# KiCad board mx-corne-xiao.kicad_pcb
title: mx-corne-xiao-zero; date: 2024-09-09; rev: 2.1; note: Author : Friction
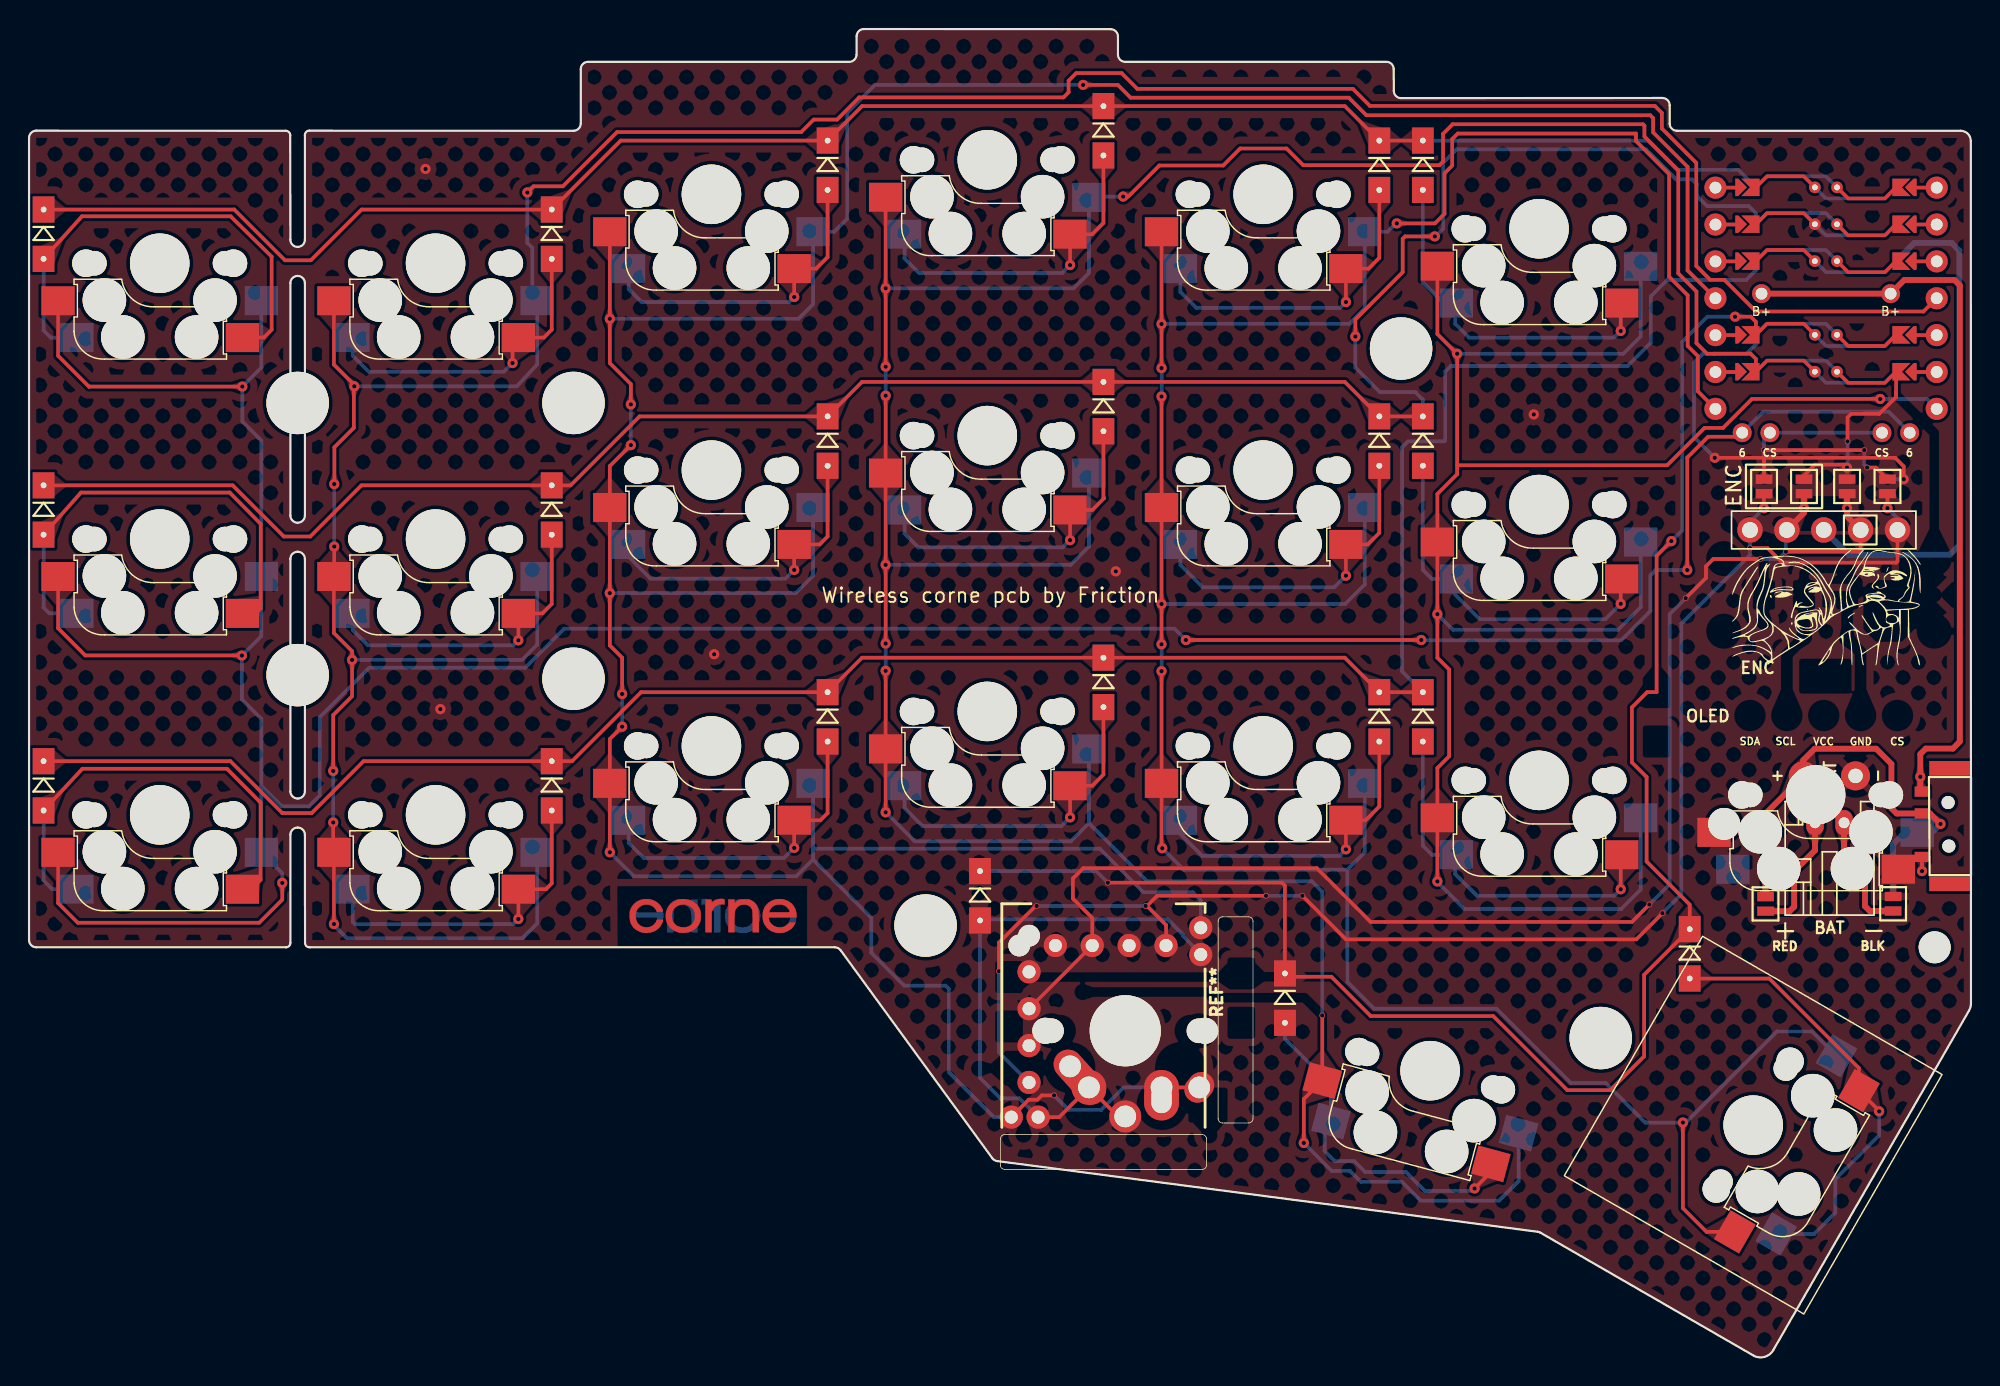
[diagram p0: board, top side]
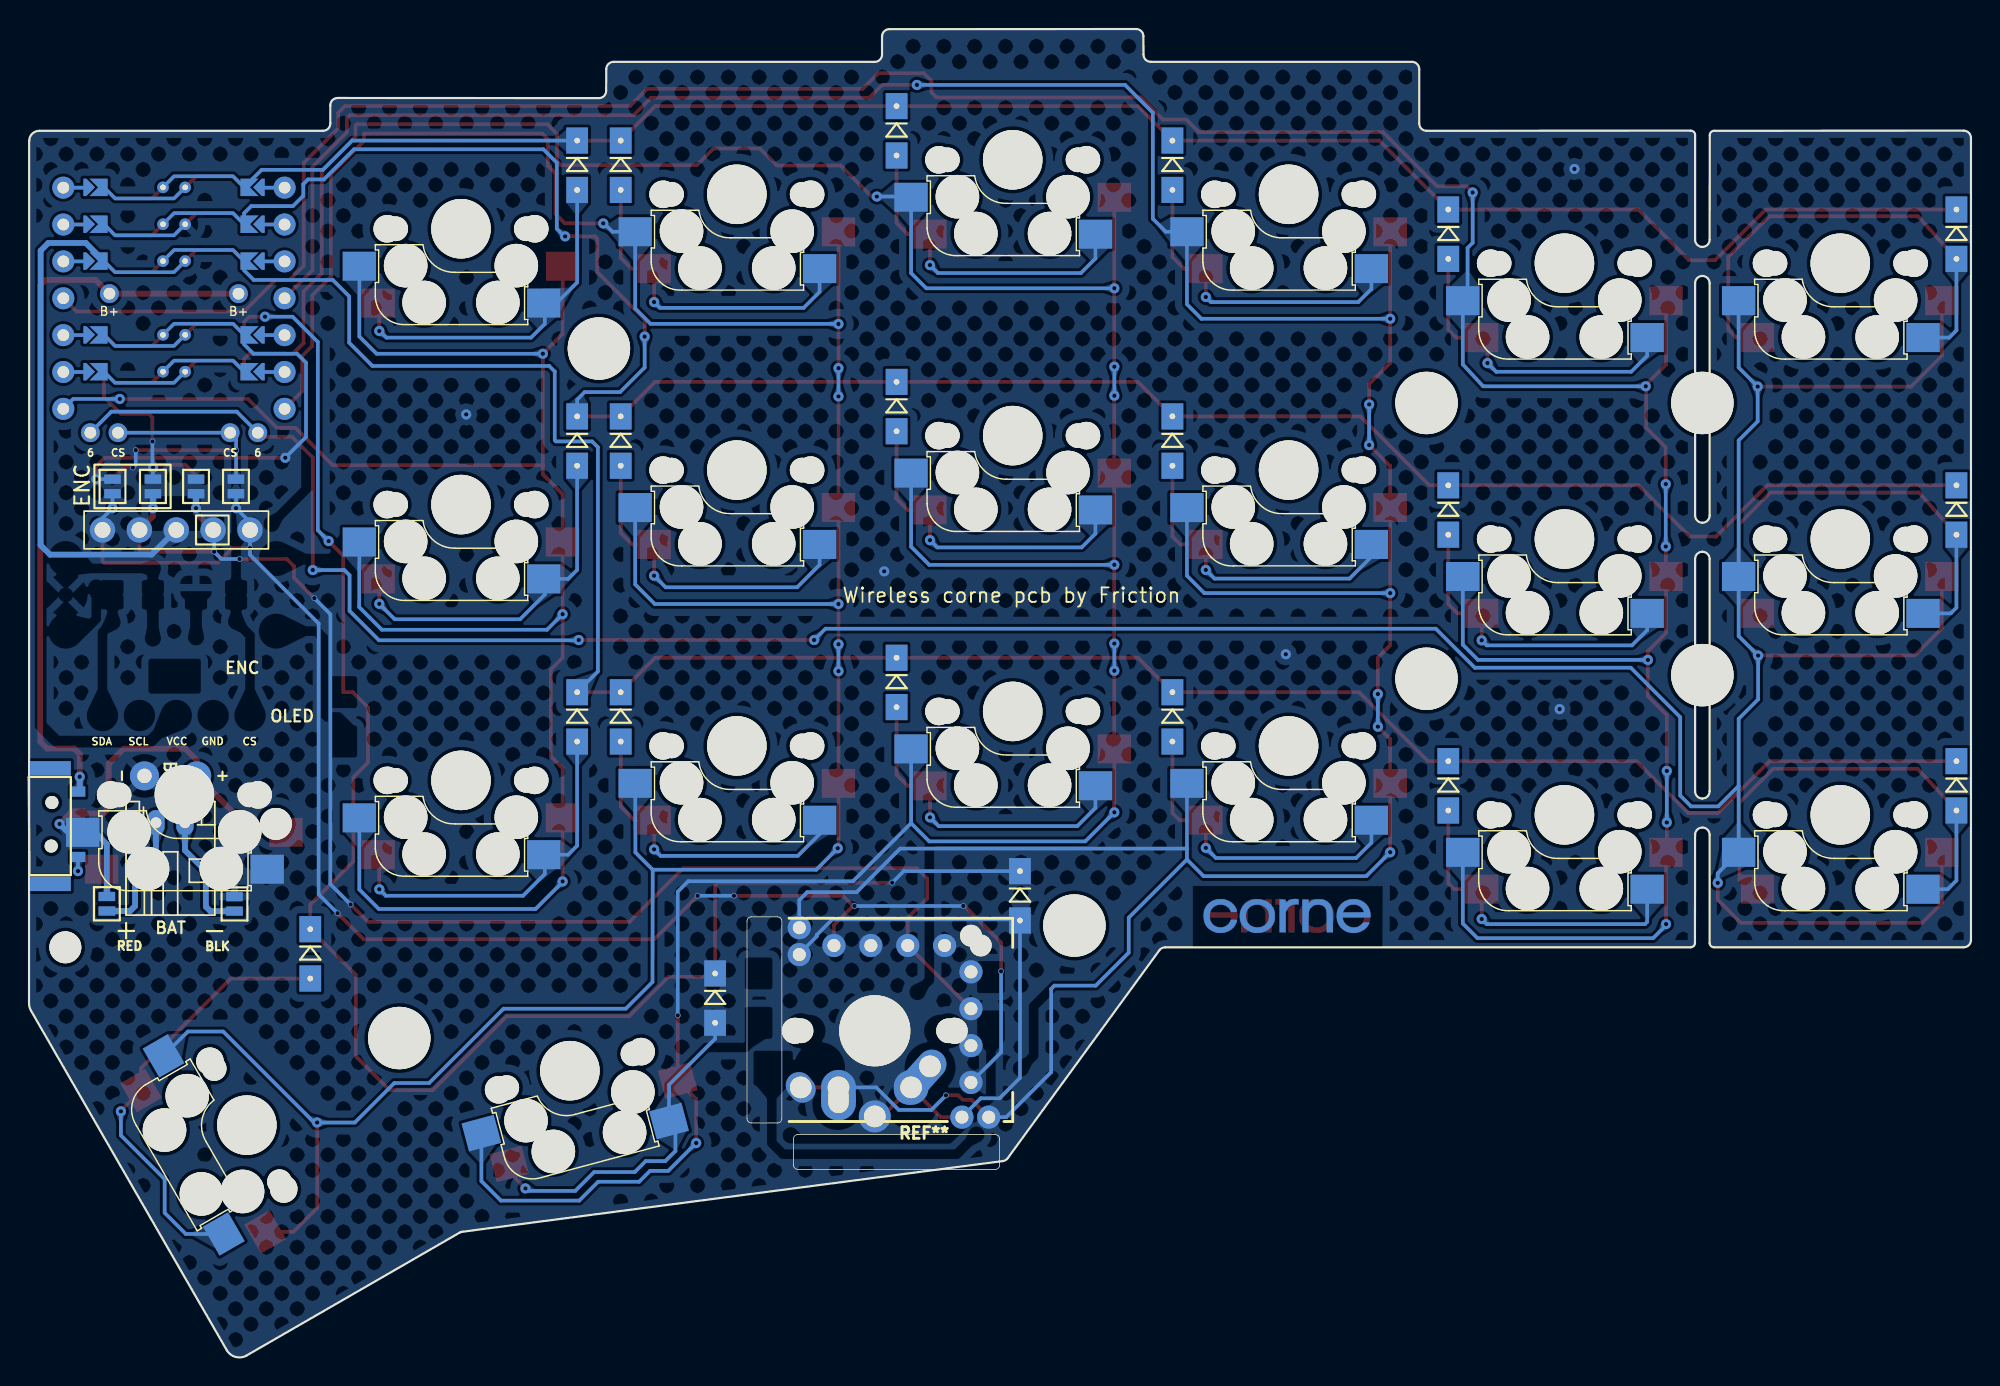
[diagram p1: board, bottom side, seen from below]

Outline 133.75 x 91.48 mm; copper layers: Top, Bottom. Coordinates in mm from the lower left corner of the outline.
Outline path: 0,83.98 0,28.72 arc(0.15,28.37) 0.5,28.22 17.7,28.22 arc(17.91,28.31) 18,28.52 18,35.97 arc(18.15,36.32) 18.5,36.47 arc(18.85,36.32) 19,35.97 19.01,28.52 arc(19.1,28.31) 19.31,28.22 55.5,28.22 arc(55.72,28.17) 55.9,28.01 66.34,13.69 arc(66.49,13.56) 66.68,13.49 103.91,8.62 arc(104.01,8.6) 104.1,8.56 118.76,0.1 arc(119.52,0) 120.13,0.47 133.62,23.86 arc(133.72,24.1) 133.75,24.36 133.74,83.77 arc(133.54,84.27) 133.04,84.47 113.5,84.47 arc(113.15,84.62) 113,84.97 113,86.22 arc(112.85,86.58) 112.5,86.73 94.5,86.72 arc(94.15,86.87) 94,87.22 93.99,88.73 arc(93.85,89.08) 93.49,89.22 75.5,89.22 arc(75.15,89.37) 75,89.72 75,90.97 arc(74.85,91.32) 74.5,91.47 57.5,91.48 arc(57.15,91.33) 57,90.98 56.99,89.72 arc(56.84,89.37) 56.49,89.22 38.5,89.22 arc(38.15,89.07) 38,88.72 38,84.97 arc(37.85,84.62) 37.5,84.47 19.3,84.48 arc(19.09,84.39) 19,84.18 19,76.97 arc(18.85,76.62) 18.5,76.47 arc(18.15,76.62) 18,76.97 17.99,84.16 arc(17.9,84.38) 17.69,84.47 0.5,84.48 arc(0.15,84.33) 0,83.98 ; 18,73.97 18,57.97 arc(18.15,57.62) 18.5,57.47 arc(18.85,57.62) 19,57.97 19,73.97 arc(18.85,74.32) 18.5,74.47 arc(18.15,74.32) 18,73.97 ; 18,54.97 arc(18.15,55.32) 18.5,55.47 arc(18.85,55.32) 19,54.97 19,38.97 arc(18.85,38.62) 18.5,38.47 arc(18.15,38.62) 18,38.97 18,54.97
Stack: Top 0.035mm / dielectric 1.51mm FR4 er 4.5 / Bottom 0.035mm

## Placement (name value [footprint] x y rotation side)
BT1  JST Connector  [JST_PH_reversible]  123.01 36.8 0 top
BT2  Battery_Cell  [custombatteryconnector_small]  124 40.03 0 top
D1  D  [Diode_SOD123]  1 77.35 270 top
D2  D  [Diode_SOD123]  36 77.35 270 top
D3  D  [Diode_SOD123]  55 82.1 270 top
D4  D  [Diode_SOD123]  74 84.47 270 top
D5  D  [Diode_SOD123]  93 82.1 270 top
D6  D  [Diode_SOD123]  96 82.1 270 top
D7  D  [Diode_SOD123]  1 58.35 270 top
D8  D  [Diode_SOD123]  36 58.35 270 top
D9  D  [Diode_SOD123]  55 63.1 270 top
D10  D  [Diode_SOD123]  74 65.47 270 top
D11  D  [Diode_SOD123]  93 63.1 270 top
D12  D  [Diode_SOD123]  96 63.1 270 top
D13  D  [Diode_SOD123]  1 39.35 270 top
D14  D  [Diode_SOD123]  36 39.35 270 top
D15  D  [Diode_SOD123]  55 44.1 270 top
D16  D  [Diode_SOD123]  74 46.47 270 top
D17  D  [Diode_SOD123]  93 44.1 270 top
D18  D  [Diode_SOD123]  96 44.1 270 top
D19  D  [Diode_SOD123]  65.5 31.77 270 top
D20  D  [Diode_SOD123]  86.5 24.72 270 top
D21  D  [Diode_SOD123]  114.38 27.77 270 top
G***  LOGO  [corne-logo-horizontal]  47.22 30.3 0 top
G***#2  -  [LOGO]  123.8 51.67 0 top
G***#3  LOGO  [corne-logo-horizontal]  47.22 30.3 0 top
G***#4  LOGO  [corne-logo-horizontal]  46.99 30.3 180 bottom
G***#5  LOGO  [corne-logo-horizontal]  46.99 30.3 180 bottom
H1  MountingHole  [M2_HOLE_v2]  18.5 65.72 0 top
H2  MountingHole  [M2_HOLE_v2]  37.5 65.72 0 top
H3  MountingHole  [M2_HOLE_v2]  94.5 69.47 0 top
H4  MountingHole  [M2_HOLE_v2]  18.5 46.97 0 top
H5  MountingHole  [M2_HOLE_v2]  37.5 46.72 0 top
H6  MountingHole  [M2_HOLE_v2]  61.75 29.72 0 top
H7  MountingHole  [M2_HOLE_v2]  108.25 21.97 0 top
H8  MountingHole  [M2_HOLE_v2#2]  116.75 36.72 0 top
H9  MountingHole  [M2_HOLE_v2#2]  131.25 28.22 0 top
J1  OLED  [nice_view]  123.61 72.49 0 top
JP1  Device_Jumper_NO_Small  [Jumper]  119.6 31.21 90 bottom
JP2  Device_Jumper_NO_Small  [Jumper]  119.6 31.21 90 top
JP3  Device_Jumper_NO_Small  [Jumper]  128.39 31.22 90 bottom
JP4  Device_Jumper_NO_Small  [Jumper]  128.39 31.22 90 top
JP5  Device_Jumper_NO_Small  [Jumper]  128 59.97 90 top
JP6  Device_Jumper_NO_Small  [Jumper]  125.22 59.97 90 top
JP7  Device_Jumper_NO_Small  [Jumper]  122.25 59.97 90 top
JP8  Device_Jumper_NO_Small  [Jumper]  119.5 59.97 90 top
JP9  Device_Jumper_NO_Small  [Jumper]  128 59.97 90 bottom
JP10  Device_Jumper_NO_Small  [Jumper]  125.22 59.97 90 bottom
JP11  Device_Jumper_NO_Small  [Jumper]  122.25 59.97 90 bottom
JP12  Device_Jumper_NO_Small  [Jumper]  119.5 59.97 90 bottom
PSW1  SW_SPDT  [MSK12C02_reversible]  133.57 40.45 180 bottom
REF**  -  [RollerEncoder_Panasonic_EVQWGD001]  74.5 22.72 270 top
REF**#2  -  [RollerEncoder_Panasonic_EVQWGD001]  74.5 22.72 0 bottom
SW1  SW_PUSH  [cherry_mx_1u]  9 75.35 180 top
SW2  SW_PUSH  [cherry_mx_1u]  28 75.35 180 top
SW3  SW_PUSH  [cherry_mx_1u]  47 80.1 180 top
SW4  SW_PUSH  [cherry_mx_1u]  66 82.47 180 top
SW5  SW_PUSH  [cherry_mx_1u]  85 80.1 180 top
SW6  SW_PUSH  [cherry_mx_1u]  104 77.72 180 top
SW7  SW_PUSH  [cherry_mx_1u]  9 56.35 180 top
SW8  SW_PUSH  [cherry_mx_1u]  28 56.35 180 top
SW9  SW_PUSH  [cherry_mx_1u]  47 61.1 180 top
SW10  SW_PUSH  [cherry_mx_1u]  66 63.47 180 top
SW11  SW_PUSH  [cherry_mx_1u]  85 61.1 180 top
SW12  SW_PUSH  [cherry_mx_1u]  104 58.72 180 top
SW13  SW_PUSH  [cherry_mx_1u]  9 37.35 180 top
SW14  SW_PUSH  [cherry_mx_1u]  28 37.35 180 top
SW15  SW_PUSH  [cherry_mx_1u]  47 42.1 180 top
SW16  SW_PUSH  [cherry_mx_1u]  66 44.47 180 top
SW17  SW_PUSH  [cherry_mx_1u]  85 42.1 180 top
SW18  SW_PUSH  [cherry_mx_1u]  104 39.72 180 top
SW18#2  SW_PUSH  [cherry_mx_1u]  123.05 38.72 180 top
SW19  SW_PUSH  [keyswitch_cherrymx_alps_choc12_1u_reversed]  75.5 22.47 180 top
SW20  SW_PUSH  [cherry_mx_1u]  96.5 19.72 165 top
SW21  SW_PUSH  [cherry_mx_1.5u]  118.75 15.97 240 top
U1  xiao-ble  [xiao-rev]  123.77 72.93 0 top

## Library data of the parts
D1-D21 = -: ki_fp_filters: TO-???* *_Diode_* *SingleDiode* D_*
H1-H9 = -: ki_fp_filters: MountingHole*
J1 = -: ki_fp_filters: Connector*:*_1x??_*
JP1-JP12 = -: ki_fp_filters: SolderJumper*Open*

## Footprints (pads in the part's own frame, mm; a bottom-side part is the same pattern mirrored in y, then rotated)
cherry_mx_1.5u
  round 1.9 hole 1.9 unplated: (-5.08,0) (5.08,0)
  round 1.7 hole 1.7 unplated: (-4.5,0) (4.5,0)
  round 3 hole 3 unplated: (-3.81,2.54) (-2.54,5.08) (2.54,5.08) (3.81,2.54)
  round 4.1 hole 4.1 unplated: (0,0)
  rect 2.3x2 smd far side: 1(-7,2.58) 2(5.7,5.12)
  rect 2.3x2 smd: 1(7,2.58) 2(-5.7,5.12)
cherry_mx_1u
  round 1.9 hole 1.9 unplated: (-5.08,0) (5.08,0)
  round 1.7 hole 1.7 unplated: (-4.5,0) (4.5,0)
  round 3 hole 3 unplated: (-3.81,2.54) (-2.54,5.08) (2.54,5.08) (3.81,2.54)
  round 4.1 hole 4.1 unplated: (0,0)
  rect 2.3x2 smd far side: 1(-7,2.58) 2(5.7,5.12)
  rect 2.3x2 smd: 1(7,2.58) 2(-5.7,5.12)
custombatteryconnector_small
  round 2 hole 1: 1(-1.8,0) 2(1.8,0)
Diode_SOD123
  rect 1.8x1.5 hole 0.4: 1(-1.7,0) 2(1.7,0)
JST_PH_reversible
  oval 1.2x1.75 hole 0.75: 1(0,0) 2(2,0)
Jumper
  rect 0.635x1.143 smd: 1(-0.5,0) 2(0.5,0)
keyswitch_cherrymx_alps_choc12_1u_reversed
  round 1.8 hole 1.8 unplated: (-5.5,0) (5.5,0)
  round 1.7 hole 1.7 unplated: (-5.08,0) (5.08,0)
  round 4.9 hole 4.9 unplated: (0,0)
  oval 2.2x1.8 hole 1.5 rot 50: 1(-5.1,3.9)
  oval 2.4x2.95 hole 1.4x1.95: 1(-2.5,4.7)
  round 2.4 hole 1.5: 1(-2.5,3.9) 2(2.5,3.9)
  round 2.2 hole 1.5: 2(0,5.9)
  oval 2x4.4 hole 1.5 rot 42: 2(3.8,2.45)
M2_HOLE_v2
  round 4.3 hole 4.3 unplated: (0,0)
M2_HOLE_v2#2
  round 2.2 hole 2.2 unplated: (0,0)
MSK12C02_reversible
  round 0.9 hole 0.9 unplated: (1.35,-5.25) (1.4,-2.25)
  rect 1x0.7 smd far side: 1(3.2,-1.5) 2(3.2,-3) 3(3.2,-6)
  rect 1x0.7 smd: 1(3.2,-1.5) 2(3.2,-4.5) 3(3.2,-6)
  rect 2.8x1 smd far side: NC(1.3,-7.85) NC(1.3,0.1)
  rect 2.8x1 smd: NC(1.3,-7.85) NC(1.3,0.1)
nice_view
  round 1.753 hole 1.092: 1(-5.08,-15.524) 2(-2.54,-15.524) 3(0,-15.524) 4(2.54,-15.524) 5(5.08,-15.524)
RollerEncoder_Panasonic_EVQWGD001
  round 1.5 hole 1.5 unplated: (-5.625,-6.3)
  round 1.6 hole 0.9: A(-5.625,3.81) B(-5.625,1.27) C(-5.625,-1.27) D(-5.625,-3.81) S1(-6.85,6.2) S2(-5,6.2)
xiao-rev
  round 1.524 hole 0.813: (-7.62,7.62) (-7.62,5.08) (-7.62,2.54) (-7.62,-2.54) (-7.62,-5.08) (7.62,7.62) (7.62,5.08) (7.62,2.54) (7.62,-2.54) (7.62,-5.08) 4(-7.62,0) 7(-7.62,-7.62) 8(7.62,-7.62) 11(7.62,0)
  rect 1.44x0.25 smd: (-6.69,7.622) (-6.67,5.08) (-6.67,2.54) (-6.67,-2.54) (-6.67,-5.08) (6.67,7.62) (6.67,5.08) (6.67,2.54) (6.67,-2.54) (6.67,-5.08)
  rect 1.44x0.25 smd far side: (-6.69,7.62) (-6.67,5.08) (-6.67,2.54) (-6.67,-2.54) (-6.67,-5.08) (6.67,7.62) (6.67,5.08) (6.67,2.54) (6.67,-2.54) (6.67,-5.08)
  custom 0.8x1.2 smd: (-5.85,7.64) (-5.85,5.1) (-5.85,2.56) (-5.85,-2.52) (-5.85,-5.06) (5.834,7.64) (5.834,5.1) (5.834,2.56) (5.834,-2.52) (5.834,-5.06)
  custom 0.8x1.2 smd far side: (-5.85,7.64) (-5.85,5.1) (-5.85,2.56) (-5.85,-2.52) (-5.85,-5.06) (5.834,7.64) (5.834,5.1) (5.834,2.56) (5.834,-2.52) (5.834,-5.06)
  custom 1.25x1.2 smd far side: 1(-4.834,7.64) 2(-4.834,5.1) 3(-4.834,2.56) 5(-4.834,-2.52) 6(-4.834,-5.06) 9(4.818,-5.06) 10(4.818,-2.52) 12(4.818,2.56) 13(4.818,5.1) 14(4.818,7.64)
  custom 4.314x1.016 smd: 1(0.754,7.64) 2(0.754,5.1) 3(0.754,2.56) 5(0.754,-2.52) 6(0.754,-5.06)
  custom 5.838x1.016 smd far side: 1(0.754,7.64) 2(0.754,5.1) 3(0.754,2.56) 5(0.754,-2.52) 6(0.754,-5.06) 9(-0.77,-5.06) 10(-0.77,-2.52) 12(-0.77,2.56) 13(-0.77,5.1) 14(-0.77,7.64)
  round 0.8 hole 0.4: 1(0.754,7.64) 2(0.754,5.1) 3(0.754,2.56) 5(0.754,-2.52) 6(0.754,-5.06) 9(-0.77,-5.06) 10(-0.77,-2.52) 12(-0.77,2.56) 13(-0.77,5.1) 14(-0.77,7.64)
  custom 1.25x1.2 smd: 1(4.818,7.64) 2(4.818,5.1) 3(4.818,2.56) 5(4.818,-2.52) 6(4.818,-5.06) 9(-4.834,-5.06) 10(-4.834,-2.52) 12(-4.834,2.56) 13(-4.834,5.1) 14(-4.834,7.64)
  custom 4.314x1.012 smd: 9(-0.77,-5.06) 10(-0.77,-2.52) 12(-0.77,2.56) 13(-0.77,5.1) 14(-0.77,7.64)
  round 1.3 hole 0.813: 15(-3.87,-9.26) 15(3.852,-9.26) 16(-5.775,-9.26) 16(5.757,-9.26) B+(-4.445,0.317) B+(4.445,0.317)

## Nets
GND: BT2.2 JP1.2 JP4.2 JP6.2 JP11.2 REF**.B REF**#2.B U1.13
VCC: J1.3 U1.12
/PAD1: BT1.1 JP1.1 JP2.1
/PAD2: BT1.2 JP3.1 JP4.1
/PSW: BT2.1 JP2.2 JP3.2 PSW1.2
BAT+: PSW1.1 U1.B+
COL0: SW6.1 SW12.1 SW18.1 U1.8
COL1: SW5.1 SW11.1 SW17.1 SW21.1 U1.7
COL2: SW4.1 SW10.1 SW16.1 SW20.1 U1.9
COL3: REF**.S1 REF**#2.S1 SW3.1 SW9.1 SW15.1 SW19.1 U1.4
COL4: SW2.1 SW8.1 SW14.1 U1.11
COL5: SW1.1 SW7.1 SW13.1 U1.16
CS: JP5.2 JP12.2 U1.15
ROW0: D1.1 D2.1 D3.1 D4.1 D5.1 D6.1 U1.1
ROW1: D7.1 D8.1 D9.1 D10.1 D11.1 D12.1 U1.2
ROW2: D13.1 D14.1 D15.1 D16.1 D17.1 D18.1 U1.3
ROW3: D19.1 D20.1 D21.1 U1.10
SCL: JP7.2 JP10.2 U1.6
SDA: JP8.2 JP9.2 U1.5
Net-(D1-A): D1.2 SW1.2
Net-(D2-A): D2.2 SW2.2
Net-(D3-A): D3.2 SW3.2
Net-(D4-A): D4.2 SW4.2
Net-(D5-A): D5.2 SW5.2
Net-(D6-A): D6.2 SW6.2
Net-(D7-A): D7.2 SW7.2
Net-(D8-A): D8.2 SW8.2
Net-(D9-A): D9.2 SW9.2
Net-(D10-A): D10.2 SW10.2
Net-(D11-A): D11.2 SW11.2
Net-(D12-A): D12.2 SW12.2
Net-(D13-A): D13.2 SW13.2
Net-(D14-A): D14.2 SW14.2
Net-(D15-A): D15.2 SW15.2
Net-(D16-A): D16.2 SW16.2
Net-(D17-A): D17.2 SW17.2
Net-(D18-A): D18.2 SW18.2
Net-(D19-A): D19.2 REF**.S2 REF**#2.S2 SW19.2
Net-(D20-A): D20.2 SW20.2
Net-(D21-A): D21.2 SW21.2
Net-(J1-Pin_4): J1.2 J1.4 JP6.1 JP7.1 JP10.1 JP11.1 REF**.C REF**#2.C
Net-(J1-Pin_5): J1.1 J1.5 JP5.1 JP8.1 JP9.1 JP12.1 REF**.A REF**#2.A

Pads without a net: PSW1 3 NC; REF** D; REF**#2 D; SW18#2 1 2; U1 14

## Via types
v1: diameter 0.7, hole 0.3, Top to Bottom, 80 vias
v2: diameter 0.4, hole 0.3, Top to Bottom, 18 vias

## Routing (per net, layer and track width the routed paths; a pad name or vN(x,y) marks a point on that pad's centre or on a via; arc(x,y) is an arc through that point)
GND:
  vias: v1(27.31,81.84) v1(28.33,44.63) v1(47.19,48.41) v1(74.85,54.12) v1(103.64,64.93)
VCC: length 35.7
  Bottom w0.4: J1.3 125.31,55.27 132.3,55.27 132.95,55.92 132.95,76.21 132.42,76.74 129.85,76.74 128.6,75.49
/PAD1: length 17
  Top w0.4: JP2.1 121.26,30.71 121.57,31.02 121.57,33.46 123.01,34.9 BT1.1
  Bottom w0.4: JP2.1 121.26,30.71 121.57,31.02 121.57,33.46 123.01,34.9 BT1.1
/PAD2: length 16.8
  Top w0.4: BT1.2 125.01,34.91 126.45,33.47 126.45,31.05 126.78,30.72 JP4.1
  Bottom w0.4: JP4.1 126.79,30.72 126.45,31.06 126.45,33.47 125.01,34.91 BT1.2
/PSW: length 31.6
  Top w0.4: v1(131.65,36.72) 130.93,37.44 128.63,37.44 128.27,37.8 128.27,40.85 127.22,41.9 122.99,41.9 122.2,41.11 BT2.1 119.61,37.44 119.61,34.46 119.6,34.45 JP2.2
  Bottom w0.4: PSW1.2 130.88,35.95 v1(131.65,36.72) ; 130.38,35.94 129.01,35.94 128.39,35.32 JP3.2
BAT+: length 52.1
  Top w0.4: 130.26,39.06 v1(130.26,39.97) 130.26,41.53 130.64,41.91 132.5,41.91 132.98,42.39 132.98,73.82 132.61,74.19 129.16,74.19 U1.B+ 119.32,73.25
  Bottom w0.4: 130.26,39.06 v1(130.26,39.97)
COL0: length 137.5
  Top w0.254: 98.36,61.43 98.36,60.81 97,59.45 SW12.1 v1(97,51.17) 97,48.17 97.81,47.36 97.81,41.38 97,40.57 SW18.1 v1(97,32.76) ; 98.36,61.43 112.83,61.43 115.4,64 116.67,64 118.66,66 v1(127.5,66) ; 98.36,61.43 v1(98.36,69.11) 97,70.47 SW6.1
  Bottom w0.254: 111,75.69 111,70.3 109.81,69.11 v1(98.36,69.11) ; v1(97,51.17) 98.07,50.1 109.44,50.1 111.01,51.66 SW12.1 ; 131.21,65.49 130.71,66 v1(127.5,66) ; SW18.1 111,32.2 109.66,30.86 98.86,30.86 97,32.72 v1(97,32.76)
COL1: length 206.2
  Top w0.254: SW5.1 v1(78,71.16) v1(78,68.12) ; v1(78.05,35.05) 78,35.1 SW17.1 v1(78,47.25) ; v1(113.91,16.15) 113.91,10.25 115.54,8.62 SW21.1 ; 116.15,65.31 114.94,66.52 114.94,68.95 114.24,69.65 114.24,73.14 112.96,74.42 112.96,81.48 110.68,83.76 110.68,84.28 98.4,84.28 98.02,83.9 98.02,82.07 97.49,81.54 97.49,78.75 96.83,78.09 v1(94.2,78.09) ; v1(78,49.1) v1(78,51.87) SW11.1 v1(78,66.17)
  Bottom w0.254: 90.79,33.57 91.99,34.76 SW17.1 ; 90.79,33.57 90.81,25.83 92.65,23.99 101.07,23.99 106.19,18.87 108.59,18.87 111.31,16.15 v1(113.91,16.15) 114.11,16.15 120.38,22.42 122.81,22.42 SW21.1 ; 90.79,33.57 79.53,33.57 v1(78.05,35.05) ; v1(78,51.87) 90.65,51.87 92,53.22 SW11.1 ; v1(78,49.1) v1(78,47.25) ; v1(78,68.12) v1(78,66.17) ; v1(94.2,78.09) 94.14,78.09 93.56,77.52 SW5.1 92,72.23 90.94,71.17 78.01,71.17 v1(78,71.16)
COL2: length 222.5
  Top w0.254: v1(87.8,14.74) 87.8,17.77 SW20.1 v2(89.07,23.53) ; 118.94,67.87 118.94,68.75 118.57,69.11 116.08,69.11 116.07,69.11 115.57,69.11 114.84,69.84 114.84,73.4 113.59,74.65 113.59,81.75 111.26,84.08 111.26,84.82 111.16,84.92 98.05,84.92 97.39,84.26 97.39,82.35 97.14,82.1 87.76,82.1 86.61,83.25 83.42,83.25 82.25,82.08 77.85,82.08 75.71,79.94 v1(75.36,79.94) ; v1(59,66.22) SW10.1 v1(59,54.57) v1(59,49.15) ; v1(59,47.27) SW16.1 v1(59,37.52) ; SW4.1 v1(59,73.62) v1(59,68.22)
  Bottom w0.254: 73,36.77 71.75,35.52 61,35.52 v1(59,37.52) ; 73,36.77 SW16.1 ; 73,36.77 77,32.77 88.35,32.77 89.07,32.05 v2(89.07,23.53) ; v1(59,49.15) v1(59,47.27) ; v1(75.36,79.94) 73.05,79.94 ; v1(59,68.22) v1(59,66.22) ; v1(59,54.57) 71.75,54.57 73,55.82 SW10.1 ; SW20.1 102.59,12.11 101.25,10.77 95.85,10.77 94.55,12.07 91.72,12.07 90.97,12.82 89.72,12.82 v1(87.8,14.74) ; v1(59,73.62) 71.95,73.62 73,74.67 SW4.1
COL3: length 255.9
  Top w0.254: v1(72.6,87.63) 74.99,87.63 75.87,86.75 90.9,86.75 92.11,85.54 111.66,85.54 111.86,85.34 111.86,84.36 114.23,81.99 114.23,74.85 U1.4 ; SW3.1 v1(40,71.52) 40,68.47 41.45,67.02 v1(41.45,65.62) ; v1(40.85,43.42) 40,42.57 SW15.1 v1(40,34.77) ; v2(70.6,18.02) 69.75,18.02 69.45,17.72 68.85,17.72 REF**#2.S1 ; v1(41.45,62.82) 40,61.37 SW9.1 v1(40,52.62) 40,49.02 40.85,48.17 v1(40.85,45.67) ; SW19.1 78.8,18.57 SW19.1
  Bottom w0.254: 54,35.02 73.75,35.02 76.75,32.02 80.15,32.02 80.7,31.47 REF**.S1 ; 54,35.02 SW15.1 ; 54,35.02 54,34.27 ; 54,34.27 52.85,33.12 41.65,33.12 v1(40,34.77) ; 54,34.27 58.01,30.26 58.01,27.85 60.28,25.58 63.13,25.58 63.35,25.36 63.35,19.62 66.45,16.52 REF**#2.S1 ; SW9.1 54,53.82 52.8,52.62 v1(40,52.62) ; SW19.1 75.4,18.57 73.85,17.02 71.6,17.02 v2(70.6,18.02) ; v1(41.45,65.62) v1(41.45,62.82) ; v1(72.6,87.63) 58.26,87.63 56.35,85.72 56.35,78.41 55.45,77.52 SW3.1 54,72.52 53,71.52 v1(40,71.52) ; v1(40.85,45.67) v1(40.85,43.42)
COL4: length 220.5
  Top w0.254: SW8.1 21,49.87 22.25,48.62 v1(22.25,48.02) 22.25,45.52 20.95,44.22 v1(20.95,40.37) ; v1(21,29.82) SW14.1 ; v1(34.32,80.22) 34.75,80.65 36.77,80.65 40.5,84.38 53.18,84.38 54.04,85.24 55.65,85.24 57.18,86.77 71.25,86.77 71.6,87.12 71.6,87.92 72.12,88.45 75.25,88.45 76.34,87.36 91.18,87.36 92.36,86.18 111.98,86.18 112.46,85.7 112.46,84.63 114.83,82.26 114.83,75.17 115.79,74.2 116.77,74.2 118.95,72.02 130.48,72.02 U1.11 ; v1(21.02,60.13) 21.03,60.14 21.03,62.67 22.37,64.01 22.37,66.99 21,68.36 SW2.1 ; v1(21.02,55.83) 21.02,53.79 ; v1(20.95,36.82) 20.95,34.82
  Bottom w0.254: v1(21.02,60.13) v1(21.02,55.83) ; v1(34.32,80.22) 34.32,76.75 34.67,76.4 34.67,73.1 ; v1(22.4,66.87) 33.6,66.87 35,68.38 SW2.1 ; v1(22.25,48.02) 33.95,48.02 35,49.07 SW8.1 ; v1(21,29.82) 21,29.74 21.89,28.85 33.99,28.85 35,29.86 SW14.1 ; v1(20.95,40.37) v1(20.95,36.82)
COL5: length 234
  Top w0.254: 117.71,63.39 115.64,63.39 114.21,61.96 v1(114.21,54.21) ; SW1.1 2,68.97 4.13,66.84 4.14,66.85 v1(14.69,66.85) ; SW7.1 2,50.2 3.87,48.33 14.65,48.33 v1(14.66,48.32) ; SW13.1 2,31.27 3.36,29.91 15.85,29.91 17.44,31.5 v1(17.44,32.66) ; v1(95.89,49.39) v1(79.68,49.39)
  Bottom w0.254: 16,39.34 17.41,37.93 19.28,37.93 20.03,38.68 20.03,44.08 23.43,47.48 34.17,47.48 36.86,50.17 78.9,50.17 v1(79.68,49.39) ; 16,39.34 16,43.96 14.65,45.31 14.66,45.32 v1(14.66,48.32) 16,49.66 SW7.1 16,63.14 14.69,64.45 v1(14.69,66.85) 16,68.16 SW1.1 ; 16,39.34 SW13.1 17.44,33.33 v1(17.44,32.66) ; v1(114.21,54.21) 112.03,54.21 111.68,53.85 111.68,51.4 109.65,49.37 95.91,49.37 v1(95.89,49.39) ; 129.53,63.67 128.08,65.12 119.44,65.12 118,63.67
CS: length 21
  Top w0.254: JP5.2 127.2,61.27 v2(126.6,61.27) ; v2(119.49,62.47) v2(126.4,62.47)
  Bottom w0.254: JP12.2 119.49,60.48 v2(119.49,62.47) 119.49,63.26 119.9,63.67 ; 119.9,63.67 127.62,63.67 ; v2(126.4,62.47) 126.4,61.47 v2(126.6,61.27)
ROW0: length 126.1
  Top w0.254: D6.1 D5.1 90.62,86.17 D4.1 57.38,86.17 D3.1 40.75,83.8 D2.1 22.91,79.05 19.41,75.55 17.63,75.55 14.14,79.05 D1.1
  Bottom w0.254: D6.1 111.49,83.8 113.5,81.78 117.73,81.78 U1.1
ROW1: length 151.4
  Top w0.254: D12.1 D11.1 90.62,67.17 D10.1 57.38,67.17 D9.1 42.05,64.8 37.3,60.05 D8.1 22.89,60.05 19.37,56.52 17.55,56.52 14.03,60.05 D7.1 ; v1(91.35,70.3) 91.35,71.47 94.61,74.73 94.61,77.03 94.78,77.2 v1(96.82,77.2)
  Bottom w0.254: v1(91.35,70.3) 91.35,68.16 93.04,66.47 95.48,66.47 96,65.95 D12.1 ; v1(96.82,77.2) 96.88,77.2 97.4,77.72 97.4,82.27 98.32,83.2 111.37,83.2 113.44,81.12 114.53,81.12 114.86,80.79 114.86,79.99 115.57,79.28 118.44,79.28 118.44,79.28 118.94,78.79 118.94,78.03
ROW2: length 154.1
  Top w0.254: D13.1 13.86,41.05 17.44,37.47 19.47,37.47 23.05,41.05 D14.1 37.4,41.05 42.15,45.8 D15.1 57.38,48.17 D16.1 90.62,48.17 D17.1 D18.1
  Bottom w0.254: U1.3 118.94,74.86 118.27,74.19 112.83,74.19 111.7,73.06 111.7,69.87 110.1,68.27 97.93,68.27 97.54,67.89 97.54,63.15 97.46,63.07 94.97,63.07 94.57,62.67 94.57,47.23 D18.1
ROW3: length 117.3
  Top w0.254: U1.10 118.94,71.31 118.58,71.66 v1(117.5,71.66) ; v2(74.3,32.67) 86.3,32.67 86.5,32.47 D20.1 86.73,26.19 89.7,26.19 92.41,23.48 100.85,23.48 105.95,18.38 108.91,18.38 111.24,20.71 111.24,26.33 D21.1 114.38,31.16 111.41,34.13 111.41,39.95 110.4,40.96 110.4,44.75 111.45,45.8 112.1,45.8 112.1,55.19 v1(113.12,56.21)
  Bottom w0.254: v2(74.3,32.67) 73.5,33.47 D19.1 ; v1(113.12,56.21) 113.86,56.95 113.86,69.93 115.6,71.66 v1(117.5,71.66)
SCL: length 13.7
  Top w0.254: 128.59,66.47 128.59,67.87 ; 128.59,66.47 128.59,66.28 ; 128.59,66.47 128.59,66.13 127.43,64.97 125.5,64.97 125.25,64.72 v2(125.25,63.07) ; v1(125.21,61.27) 125.01,61.47 123,61.47 122.25,60.72 JP7.2
  Bottom w0.254: v2(125.25,63.07) 125.25,61.31 v1(125.21,61.27) 125.22,61.26 JP10.2
SDA: length 29.3
  Top w0.254: JP8.2 119.5,61.94 ; v1(129.12,60.47) 129.12,61.35 128.53,61.94 v1(116.1,61.94)
  Bottom w0.254: v1(116.1,61.94) 114.68,63.37 114.68,68.5 115.29,69.11 118.29,69.11 118.94,69.76 U1.5 ; v1(129.12,60.47) JP9.2
Net-(D1-A): length 32.9
  Top w0.254: D1.2 3.65,78.58 13.88,78.58 16.71,75.8 16.71,70.77 16.17,70.23 SW1.2
  Bottom w0.254: D1.2 1,70.72 1.5,70.22 1.51,70.23 SW1.2
Net-(D2-A): length 21.7
  Top w0.254: D2.2 36,70.77 35.45,70.23 SW2.2 ; v1(33.3,68.47) 33.3,69.83
  Bottom w0.254: v1(33.3,68.47) 32.7,67.87 23.4,67.87 22.3,68.97 SW2.2
Net-(D3-A): length 22.5
  Top w0.254: D3.2 55,75.77 54.2,74.98 SW3.2 v1(52.7,73.02)
  Bottom w0.254: v1(52.7,73.02) 52.35,72.67 42.2,72.67 41.3,73.57 SW3.2
Net-(D4-A): length 23.1
  Top w0.254: D4.2 74,78.12 73.23,77.35 SW4.2 v1(71.7,75.22)
  Bottom w0.254: v1(71.7,75.22) 71.15,74.67 61.3,74.67 60.3,75.67 SW4.2
Net-(D5-A): length 23.2
  Top w0.254: v1(90.7,72.67) SW5.2 92.25,74.98 93,75.72 D5.2
  Bottom w0.254: SW5.2 79.3,73.37 80.4,72.27 90.3,72.27 v1(90.7,72.67)
Net-(D6-A): length 23.7
  Top w0.254: v1(109.63,70.68) 109.63,72.6
  Bottom w0.254: D6.2 96,74.02 97.42,72.6 ; v1(109.63,70.68) 109.13,70.22 99.18,70.22 98.23,71.17 98.23,72.6
Net-(D7-A): length 31
  Top w0.254: 15.61,51.23 15.95,51.57 15.96,57.38 13.82,59.55 3.58,59.55 D7.2
  Bottom w0.254: SW7.2 1.4,51.23 1,51.62 D7.2
Net-(D8-A): length 22.3
  Top w0.254: v1(33.7,49.37) SW8.2 35.36,51.23 36,51.87 D8.2
  Bottom w0.254: SW8.2 22.3,50.07 23.35,49.02 33.35,49.02 v1(33.7,49.37)
Net-(D9-A): length 21.4
  Top w0.254: D9.2 55,56.52 54.45,55.98 SW9.2 v1(52.7,54.22)
  Bottom w0.254: 41.3,55.12 42.8,53.62 52.1,53.62 v1(52.7,54.22)
Net-(D10-A): length 23
  Top w0.254: D10.2 74,59.22 74.05,59.17 73.23,58.35 SW10.2 v1(71.7,56.27)
  Bottom w0.254: v1(71.7,56.27) 71.2,55.77 61.25,55.77 60.3,56.72 SW10.2
Net-(D11-A): length 23.2
  Top w0.254: D11.2 93,56.77 92.21,55.98 SW11.2 v1(90.7,53.82)
  Bottom w0.254: SW11.2 79.3,54.57 80.85,53.02 89.9,53.02 v1(90.7,53.82)
Net-(D12-A): length 25.1
  Top w0.254: v1(109.63,51.88) 109.63,53.6
  Bottom w0.254: D12.2 96,54.22 96.62,53.6 SW12.2 ; v1(109.63,51.88) 108.56,50.82 99.93,50.82 98.23,52.52 98.23,53.6
Net-(D13-A): length 30.8
  Top w0.254: 15.31,32.23 15.95,32.87 15.95,38.19 15.88,38.27 13.73,40.42 13.63,40.52 3.67,40.52 D13.2
  Bottom w0.254: D13.2 1,32.82 1.59,32.23 SW13.2
Net-(D14-A): length 23.4
  Top w0.254: D14.2 36,32.62 35.61,32.23 SW14.2 v1(33.7,30.17)
  Bottom w0.254: SW14.2 22.3,29.97 22.45,29.82 33.35,29.82 v1(33.7,30.17)
Net-(D15-A): length 23
  Top w0.254: v1(52.7,35.07) SW15.2 54.5,36.98 55,37.47 D15.2
  Bottom w0.254: v1(52.7,35.07) 52,34.37 42.35,34.37 41.3,35.42 SW15.2
Net-(D16-A): length 23.1
  Top w0.254: v1(71.7,37.17) SW16.2 73.23,39.35 74,40.12 D16.2
  Bottom w0.254: v1(71.7,37.17) 71.1,36.57 61.55,36.57 60.3,37.82 SW16.2
Net-(D17-A): length 22.3
  Top w0.254: D17.2 93,37.92 92.06,36.98 SW17.2 v1(90.7,34.97)
  Bottom w0.254: v1(90.7,34.97) 90.25,34.52 80.8,34.52 79.3,36.02 SW17.2
Net-(D18-A): length 25.6
  Top w0.254: v1(109.63,32.22) 109.63,34.6
  Bottom w0.254: SW18.2 96.62,34.6 96,35.22 D18.2 ; 98.23,34.6 98.23,33.27 99.73,31.77 109.18,31.77 v1(109.63,32.22)
Net-(D19-A): length 42
  Top w0.254: SW19.2 70.95,16.52 REF**#2.S2 ; SW19.2 73,18.72 SW19.2 ; SW19.2 75,16.57 SW19.2
  Bottom w0.254: REF**#2.S2 68.2,17.82 66.9,17.82 65.5,19.22 D19.2 65.58,30.15 78.42,30.15 79.5,29.07 79.5,28.97 80.7,27.77 REF**.S2
Net-(D20-A): length 22.8
  Top w0.254: v1(99.56,11.61) 100.68,12.73
  Bottom w0.254: SW20.2 89.67,18.75 86.5,21.92 D20.2 ; 89.23,15.81 89.23,14.19 89.93,13.49 91.28,13.49 92.03,12.74 94.83,12.74 96.13,11.44 99.39,11.44 v1(99.56,11.61)
Net-(D21-A): length 30.7
  Top w0.254: D21.2 119.86,26.07 126.03,19.9 SW21.2 127.43,16.96 v1(127.43,16.92)
  Bottom w0.254: SW21.2 122.95,8.47 124.41,9.93 124.41,12.25 127.43,15.27 v1(127.43,16.92)
Net-(J1-Pin_4): length 100.1
  Top w0.254: J1.4 126.15,55.62 126,55.47 v2(121,55.47) ; REF**#2.C REF**.C 73.23,30.24 71.9,31.57 71.9,32.97 72.6,33.67 88.7,33.67 92.4,29.97 110.4,29.97 v2(111.6,31.17) ; v2(114.1,52.27) 115.5,53.67 115.5,54.47 116,54.97 v2(119.25,54.97)
  Top w0.4: JP6.1 v1(125.22,58.47) 125.22,57.9 J1.4 ; J1.2 122.25,58.15 v1(122.25,58.47) JP7.1
  Bottom w0.254: v2(114.1,52.27) 113,51.17 113,32.57 v2(111.6,31.17) ; J1.2 121,56.9 v2(121,55.47) 120.5,54.97 v2(119.25,54.97)
  Bottom w0.4: JP11.1 v1(122.25,58.47) ; JP6.1 v1(125.22,58.47)
Net-(J1-Pin_5): length 112.3
  Top w0.254: v2(118.53,55.72) 119.75,55.72 120.75,54.72 128.6,54.72 128.69,54.81 J1.5 ; REF**.A 78.31,29.76 77,31.07 ; v2(112.5,30.57) 110.7,28.77 90.7,28.77 v2(87.7,31.77) ; v2(66.8,26.57) 66.8,28.54 69.33,31.07 v2(69.4,31.07) ; v2(76.9,31.07) 77,31.07 ; 77,31.07 77.7,31.77 v2(85.2,31.77) ; v1(119.49,58.47) 119.49,59.46 JP8.1 ; JP5.1 v1(128,58.47)
  Bottom w0.254: v2(69.4,31.07) v2(76.9,31.07) ; v2(66.8,26.57) 66.8,20.99 REF**#2.A ; J1.1 118.6,56.9 ; J1.1 v2(118.53,55.72) 118.53,55.25 113.8,50.52 113.8,31.87 v2(112.5,30.57) ; J1.1 118.53,57.51 v1(119.49,58.47) 119.49,59.46 JP12.1 119.49,59.48 ; JP5.1 128,59.47 v1(128,58.47) 128.69,57.78 J1.5 ; v2(85.2,31.77) v2(87.7,31.77)
unconnected-(PSW1-C-Pad3): length 1.9
  Top w0.254: v1(130.38,33.47) 130.38,33.48 PSW1.3
  Bottom w0.254: v1(130.38,33.47) 130.38,34.44

## Copper pours and planes (outline as drawn; the poured copper is in the pictures)
GND on Top, Bottom: -0.43,84.9 37.46,84.88 37.49,89.64 56.45,89.6 56.46,91.94 75.54,91.98 75.56,89.6 94.49,89.56 94.54,87.19 113.5,87.25 113.53,84.61 133.85,84.62 134.05,23.51 119.84,-1 103.89,8.27 66.2,13.32 55.64,27.93 -0.47,27.85 -0.47,84.9

Small or netless copper shapes (teardrops, artwork), in the pictures only: 226 on Top, 170 on Bottom

## Text on the board
B.Silkscreen: 6 | CS | GND | VCC | SCL | SDA | B+ | BLK | RED | OLED | ENC | BAT | Wireless corne pcb by Friction
F.Silkscreen: 6 | CS | SDA | SCL | VCC | GND | B+ | RED | BLK | OLED | ENC | BAT | Wireless corne pcb by Friction
